# KiCad board KlusterLab r2.0.kicad_pcb (continued)
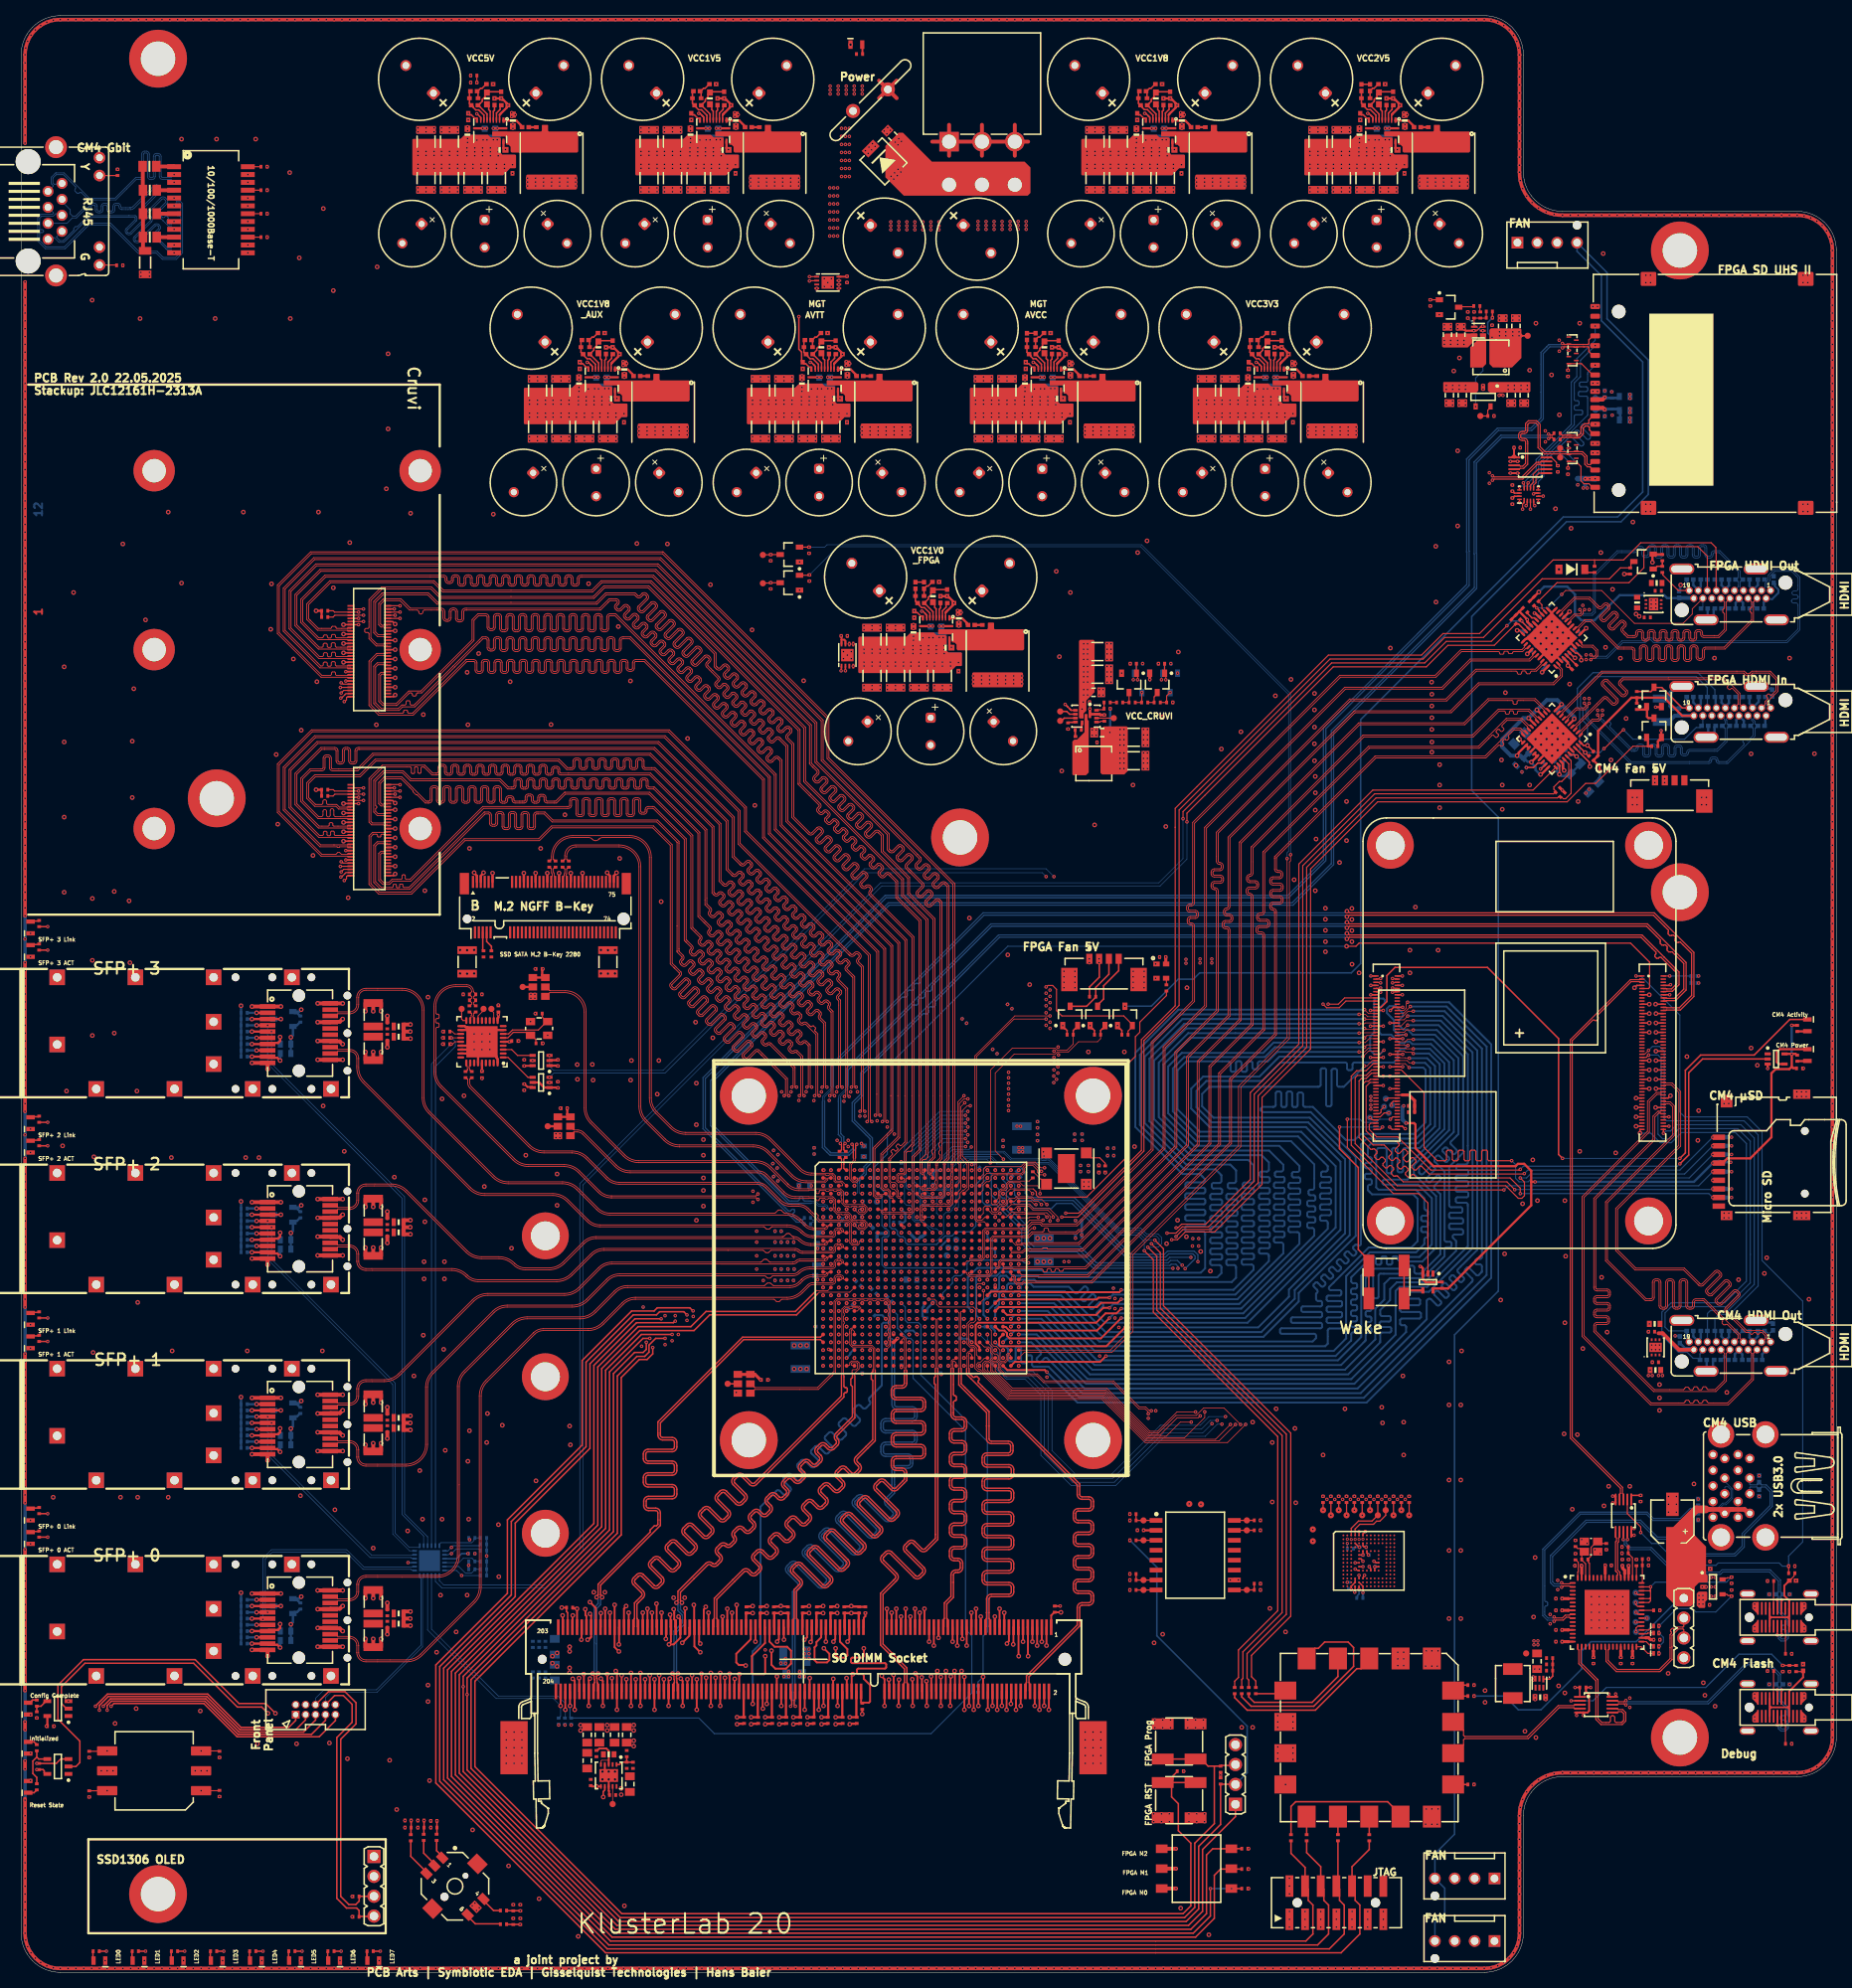
[diagram p0: board, top side]
## Routing (per net, layer and track width the routed paths; a pad name or vN(x,y) marks a point on that pad's centre or on a via; arc(x,y) is an arc through that point) (continued)
  L3 Inner2 (Sig) w0.1: v1(112.5,96.5) 112.12,96.88 111.84,96.88 111.84,96.88 110.74,96.88 110.72,96.9 106.29,96.9 105.92,97.26 105.92,97.61 105.53,98 104.93,98 104.66,98.27 104.57,98.27 103.54,99.29 102.36,99.29 101.57,100.09 101.57,100.96 100.57,101.96 100.57,112.16 100.68,112.27 100.68,112.34 100.7,112.36 100.7,112.66 100.67,112.7 100.67,112.84 100.44,113.07 v1(100.44,113.1)
CRUVI_B_7_N: length 153.1
  L1 Top w0.114: 101.82,112 101.82,119.92 101.45,120.29 arc(101.42,120.37) 101.45,120.45 101.52,120.52 arc(101.56,120.6) 101.52,120.68 101.28,120.92 arc(101.2,120.95) 101.12,120.92 101.06,120.85 arc(100.97,120.81) 100.89,120.85 100.44,121.31 arc(100.17,121.42) 99.9,121.31 arc(99.8,121.26) 99.7,121.31 99.5,121.5 arc(99.46,121.6) 99.5,121.7 99.68,121.89 arc(99.79,122.13) 99.72,122.39 99.72,122.39 99.45,122.66 99.44,122.66 arc(99.19,122.74) 98.94,122.63 98.92,122.6 arc(98.82,122.56) 98.72,122.6 98.52,122.8 arc(98.48,122.9) 98.52,123 98.7,123.18 arc(98.81,123.42) 98.73,123.68 98.73,123.68 98.46,123.95 98.46,123.95 arc(98.2,124.03) 97.96,123.92 97.5,123.46 arc(97.4,123.42) 97.3,123.46 97.1,123.66 arc(97.06,123.76) 97.1,123.86 97.56,124.32 arc(97.67,124.56) 97.6,124.82 97.6,124.82 97.33,125.09 97.32,125.09 arc(97.06,125.17) 96.82,125.06 arc(96.82,125.06) 96.82,125.06 96.36,124.6 arc(96.26,124.56) 96.16,124.6 95.97,124.8 arc(95.97,124.8) 95.97,124.8 arc(95.92,124.9) 95.97,125 96.42,125.46 arc(96.53,125.7) 96.46,125.95 96.46,125.96 96.19,126.23 96.18,126.23 arc(95.93,126.31) 95.68,126.19 95.23,125.74 arc(95.13,125.7) 95.03,125.74 94.83,125.94 arc(94.79,126.04) 94.83,126.14 95.28,126.59 arc(95.4,126.84) 95.32,127.09 95.32,127.1 95.05,127.37 95.04,127.37 arc(94.79,127.44) 94.55,127.33 94.09,126.87 arc(93.99,126.83) 93.89,126.88 93.69,127.07 arc(93.65,127.17) 93.69,127.27 94.15,127.73 arc(94.26,127.97) 94.18,128.23 94.18,128.24 93.91,128.51 93.91,128.51 arc(93.65,128.58) 93.41,128.47 92.95,128.01 arc(92.85,127.97) 92.75,128.01 92.55,128.21 arc(92.51,128.31) 92.55,128.41 93.01,128.87 arc(93.12,129.11) 93.04,129.37 93.04,129.37 92.77,129.64 92.77,129.64 arc(92.51,129.72) 92.27,129.61 91.81,129.15 arc(91.71,129.11) 91.61,129.15 91.41,129.35 arc(91.37,129.45) 91.41,129.55 91.87,130.01 arc(91.98,130.25) 91.91,130.51 91.91,130.51 91.64,130.78 91.63,130.78 arc(91.38,130.86) 91.13,130.75 90.67,130.29 arc(90.57,130.25) 90.48,130.29 90.28,130.49 arc(90.23,130.59) 90.28,130.69 90.73,131.14 arc(90.73,131.14) 90.73,131.15 arc(90.84,131.39) 90.77,131.64 90.77,131.65 90.5,131.92 90.49,131.92 arc(90.24,132) 89.99,131.88 89.54,131.43 arc(89.44,131.39) 89.34,131.43 89.14,131.63 arc(89.1,131.73) 89.14,131.83 89.6,132.28 arc(89.6,132.28) 89.6,132.28 arc(89.71,132.53) 89.63,132.78 89.63,132.79 89.36,133.06 89.36,133.06 arc(89.1,133.13) 88.86,133.02 88.4,132.56 arc(88.3,132.52) 88.2,132.56 88,132.76 arc(87.96,132.86) 88,132.96 88.12,133.08 arc(88.23,133.35) 88.12,133.62 86.74,135 86.74,145.64 80.94,151.44 80.27,151.44 arc(80.17,151.48) 80.13,151.58 80.13,152.2 arc(80.02,152.47) 79.75,152.59 79.47,152.59 arc(79.2,152.47) 79.09,152.2 79.09,151.56 arc(79.04,151.46) 78.94,151.41 78.66,151.41 arc(78.56,151.46) 78.52,151.56 78.52,152.2 arc(78.41,152.47) 78.14,152.59 77.86,152.59 arc(77.59,152.47) 77.48,152.2 77.48,151.56 arc(77.44,151.46) 77.34,151.41 77.05,151.41 arc(76.95,151.46) 76.91,151.56 76.91,152.2 arc(76.8,152.47) 76.53,152.59 76.25,152.59 arc(75.98,152.47) 75.87,152.2 75.87,151.56 arc(75.83,151.46) 75.73,151.41 75.44,151.41 arc(75.35,151.46) 75.3,151.56 75.3,152.2 arc(75.19,152.47) 74.92,152.59 74.64,152.59 arc(74.37,152.47) 74.26,152.2 74.26,151.56 arc(74.22,151.46) 74.12,151.41 73.84,151.41 arc(73.74,151.46) 73.69,151.56 73.69,152.2 arc(73.58,152.47) 73.31,152.59 73.03,152.59 arc(72.76,152.47) 72.65,152.2 72.65,151.56 arc(72.61,151.46) 72.51,151.41 72.23,151.41 arc(72.13,151.46) 72.09,151.56 72.09,152.2 arc(71.97,152.47) 71.7,152.59 71.42,152.59 arc(71.15,152.47) 71.04,152.2 71.04,151.56 arc(71,151.46) 70.9,151.41 70.62,151.41 arc(70.52,151.46) 70.48,151.56 70.48,152.2 arc(70.36,152.47) 70.09,152.59 69.81,152.59 arc(69.54,152.47) 69.43,152.2 69.43,151.56 arc(69.39,151.46) 69.29,151.41 69.01,151.41 arc(68.91,151.46) 68.87,151.56 68.87,152.2 arc(68.76,152.47) 68.49,152.59 68.2,152.59 arc(67.93,152.47) 67.82,152.2 67.82,151.56 arc(67.78,151.46) 67.68,151.41 67.4,151.41 arc(67.3,151.46) 67.26,151.56 67.26,152.2 arc(67.15,152.47) 66.88,152.59 66.59,152.59 arc(66.32,152.47) 66.21,152.2 66.21,151.56 arc(66.17,151.46) 66.07,151.41 65.79,151.41 arc(65.69,151.46) 65.65,151.56 65.65,152.2 arc(65.54,152.47) 65.27,152.59 64.98,152.59 arc(64.72,152.47) 64.6,152.2 64.6,151.56 arc(64.56,151.46) 64.46,151.41 64.18,151.41 arc(64.08,151.46) 64.04,151.56 64.04,152.2 arc(63.93,152.47) 63.66,152.59 63.38,152.59 arc(63.11,152.47) 62.99,152.2 62.99,151.58 arc(62.95,151.48) 62.85,151.44 62.28,151.44 61.24,152.48 49.85,152.48 48.84,153.5 46.27,153.5 45.06,152.29 45.06,148.25 45.5,147.81 46.36,147.81 46.38,147.79 46.78,147.79 J27.22
  L3 Inner2 (Sig) w0.1: v1(112.5,100.5) 112.84,100.5 112.9,100.44 112.9,100.23 112.79,100.13 106.05,100.13 105.59,100.59 105.23,100.59 105.16,100.65 104.74,100.65 103.79,101.6 102.8,101.6 102.13,102.27 102.13,111.38 101.82,111.69 101.82,111.77 102.01,111.97 v1(102.01,112)
CRUVI_B_7_P: length 152.4
  L1 Top w0.114: 101.58,112 101.58,119.82 100.27,121.13 arc(100.17,121.18) 100.07,121.13 arc(99.8,121.02) 99.53,121.13 99.33,121.33 arc(99.22,121.6) 99.33,121.87 99.51,122.06 arc(99.55,122.16) 99.51,122.26 arc(99.51,122.26) 99.51,122.26 99.31,122.46 arc(99.21,122.5) 99.11,122.46 99.09,122.43 arc(98.82,122.32) 98.55,122.43 98.35,122.63 arc(98.24,122.9) 98.35,123.17 98.53,123.35 arc(98.57,123.45) 98.53,123.55 98.33,123.75 arc(98.23,123.79) 98.13,123.75 97.67,123.29 arc(97.4,123.18) 97.13,123.29 96.93,123.49 arc(96.82,123.76) 96.93,124.03 97.39,124.49 arc(97.43,124.59) 97.39,124.69 97.19,124.89 arc(97.09,124.93) 96.99,124.89 96.53,124.43 arc(96.26,124.32) 95.99,124.43 95.76,124.66 95.76,124.67 arc(95.68,124.93) 95.8,125.17 96.25,125.63 arc(96.29,125.73) 96.25,125.83 arc(96.25,125.83) 96.25,125.83 96.05,126.02 arc(95.95,126.07) 95.85,126.02 95.4,125.57 arc(95.13,125.46) 94.86,125.57 94.66,125.77 arc(94.55,126.04) 94.66,126.31 95.12,126.76 arc(95.16,126.86) 95.11,126.96 arc(95.11,126.96) 95.11,126.96 94.92,127.16 arc(94.82,127.2) 94.72,127.16 94.26,126.71 arc(93.99,126.59) 93.72,126.71 93.52,126.9 arc(93.41,127.17) 93.52,127.44 93.98,127.9 arc(94.02,128) 93.98,128.1 93.78,128.3 arc(93.78,128.3) 93.78,128.3 arc(93.68,128.34) 93.58,128.3 93.12,127.84 arc(92.85,127.73) 92.58,127.84 92.38,128.04 arc(92.27,128.31) 92.38,128.58 92.84,129.04 arc(92.88,129.14) 92.84,129.24 92.64,129.44 arc(92.64,129.44) 92.64,129.44 arc(92.54,129.48) 92.44,129.44 91.98,128.98 arc(91.71,128.87) 91.44,128.98 91.24,129.18 arc(91.13,129.45) 91.24,129.72 91.7,130.18 arc(91.74,130.28) 91.7,130.38 91.5,130.58 arc(91.4,130.62) 91.3,130.58 90.85,130.12 arc(90.57,130.01) 90.31,130.12 90.11,130.32 arc(89.99,130.59) 90.11,130.86 90.56,131.32 arc(90.6,131.42) 90.56,131.52 90.36,131.71 arc(90.26,131.76) 90.16,131.71 89.71,131.26 arc(89.71,131.26) 89.71,131.26 arc(89.44,131.14) 89.17,131.26 ; J27.20 46.78,148.07 46.38,148.07 46.36,148.05 45.6,148.05 45.3,148.35 45.3,148.65 45.45,148.8 45.45,148.95 45.3,149.1 45.3,152.19 46.37,153.26 48.74,153.26 49.75,152.24 61.14,152.24 62.18,151.2 62.85,151.2 arc(63.12,151.31) 63.23,151.58 63.23,152.2 arc(63.28,152.3) 63.38,152.34 63.66,152.34 arc(63.76,152.3) 63.8,152.2 63.8,151.56 arc(63.91,151.29) 64.18,151.17 64.46,151.17 arc(64.73,151.29) 64.84,151.56 64.84,152.2 arc(64.89,152.3) 64.98,152.34 65.27,152.34 arc(65.37,152.3) 65.41,152.2 65.41,151.56 arc(65.52,151.29) 65.79,151.17 66.07,151.17 arc(66.34,151.29) 66.45,151.56 66.45,152.2 arc(66.49,152.3) 66.59,152.34 66.88,152.34 arc(66.98,152.3) 67.02,152.2 67.02,151.56 arc(67.13,151.29) 67.4,151.17 67.68,151.17 arc(67.95,151.29) 68.06,151.56 68.06,152.2 arc(68.1,152.3) 68.2,152.34 68.49,152.34 arc(68.58,152.3) 68.63,152.2 68.63,151.56 arc(68.74,151.29) 69.01,151.17 69.29,151.17 arc(69.56,151.29) 69.67,151.56 69.67,152.2 arc(69.71,152.3) 69.81,152.34 70.09,152.34 arc(70.19,152.3) 70.24,152.2 70.24,151.56 arc(70.35,151.29) 70.62,151.17 70.9,151.17 arc(71.17,151.29) 71.28,151.56 71.28,152.2 arc(71.32,152.3) 71.42,152.34 71.7,152.34 arc(71.8,152.3) 71.84,152.2 71.84,151.56 arc(71.96,151.29) 72.23,151.17 72.51,151.17 arc(72.78,151.29) 72.89,151.56 72.89,152.2 arc(72.93,152.3) 73.03,152.34 73.31,152.34 arc(73.41,152.3) 73.45,152.2 73.45,151.56 arc(73.57,151.29) 73.84,151.17 74.12,151.17 arc(74.39,151.29) 74.5,151.56 74.5,152.2 arc(74.54,152.3) 74.64,152.34 74.92,152.34 arc(75.02,152.3) 75.06,152.2 75.06,151.56 arc(75.17,151.29) 75.44,151.17 75.73,151.17 arc(76,151.29) 76.11,151.56 76.11,152.2 arc(76.15,152.3) 76.25,152.34 76.53,152.34 arc(76.63,152.3) 76.67,152.2 76.67,151.56 arc(76.78,151.29) 77.05,151.17 77.34,151.17 arc(77.61,151.29) 77.72,151.56 77.72,152.2 arc(77.76,152.3) 77.86,152.34 78.14,152.34 arc(78.24,152.3) 78.28,152.2 78.28,151.56 arc(78.39,151.29) 78.66,151.17 78.94,151.17 arc(79.21,151.29) 79.33,151.56 79.33,152.2 arc(79.37,152.3) 79.47,152.34 79.75,152.34 arc(79.85,152.3) 79.89,152.2 79.89,151.58 arc(80,151.31) 80.27,151.2 80.84,151.2 86.5,145.54 86.5,134.9 87.95,133.45 arc(87.99,133.35) 87.95,133.25 87.83,133.13 arc(87.72,132.86) 87.83,132.59 88.03,132.39 arc(88.3,132.28) 88.57,132.39 arc(88.57,132.39) 88.57,132.39 89.03,132.85 arc(89.13,132.89) 89.23,132.85 89.42,132.65 arc(89.47,132.55) 89.43,132.45 88.97,132 arc(88.86,131.73) 88.97,131.46 89.17,131.26
  L3 Inner2 (Sig) w0.1: v1(101.41,112) 101.41,111.97 101.62,111.76 101.62,111.61 101.8,111.43 101.8,102.13 102.66,101.27 103.66,101.27 104.61,100.32 105.16,100.32 105.23,100.39 105.51,100.39 105.97,99.93 112.88,99.93 113.1,100.15 113.1,100.44 113.16,100.5 v1(113.5,100.5)
CRUVI_B_8_N: length 151.6
  L1 Top w0.114: J27.28 46.78,146.59 46.38,146.59 46.36,146.61 44.8,146.61 44.46,146.95 44.46,152.54 46.16,154.24 51.59,154.24 52.6,153.23 53.16,153.22 arc(53.26,153.27) 53.3,153.37 53.3,153.96 arc(53.42,154.23) 53.69,154.34 53.97,154.34 arc(54.24,154.23) 54.35,153.96 54.35,153.34 arc(54.39,153.24) 54.49,153.2 54.77,153.2 arc(54.87,153.24) 54.91,153.34 54.91,153.96 arc(55.03,154.23) 55.3,154.34 55.58,154.34 arc(55.85,154.23) 55.96,153.96 55.96,153.34 arc(56,153.24) 56.1,153.2 56.38,153.2 arc(56.48,153.24) 56.52,153.34 56.52,153.96 arc(56.63,154.23) 56.9,154.34 57.19,154.34 arc(57.46,154.23) 57.57,153.96 57.57,153.34 arc(57.61,153.24) 57.71,153.2 57.99,153.2 arc(58.09,153.24) 58.13,153.34 58.13,153.96 arc(58.24,154.23) 58.51,154.34 58.8,154.34 arc(59.07,154.23) 59.18,153.96 59.18,153.34 arc(59.22,153.24) 59.32,153.2 59.6,153.2 arc(59.7,153.24) 59.74,153.34 59.74,153.96 arc(59.85,154.23) 60.12,154.34 60.41,154.34 arc(60.67,154.23) 60.79,153.96 60.79,153.34 arc(60.83,153.24) 60.93,153.2 61.21,153.2 arc(61.31,153.24) 61.35,153.34 61.35,153.96 arc(61.46,154.23) 61.73,154.34 62.01,154.34 arc(62.28,154.23) 62.4,153.96 62.4,153.34 arc(62.44,153.24) 62.54,153.2 62.82,153.2 arc(62.92,153.24) 62.96,153.34 62.96,153.96 arc(63.07,154.23) 63.34,154.34 63.62,154.34 arc(63.89,154.23) 64.01,153.96 64.01,153.34 arc(64.05,153.24) 64.15,153.2 64.43,153.2 arc(64.53,153.24) 64.57,153.34 64.57,153.96 arc(64.68,154.23) 64.95,154.34 65.23,154.34 arc(65.5,154.23) 65.61,153.96 65.61,153.34 arc(65.66,153.24) 65.76,153.2 66.04,153.2 arc(66.14,153.24) 66.18,153.34 66.18,153.96 arc(66.29,154.23) 66.56,154.34 66.84,154.34 arc(67.11,154.23) 67.22,153.96 67.22,153.34 arc(67.26,153.24) 67.36,153.2 67.65,153.2 arc(67.75,153.24) 67.79,153.34 67.79,153.7 arc(67.9,153.97) 68.17,154.09 68.45,154.09 arc(68.72,153.97) 68.83,153.7 68.83,153.37 arc(68.87,153.27) 68.97,153.22 69.95,153.22 80.43,153.23 87.64,146.01 87.64,136.5 88.14,136 arc(88.25,135.73) 88.14,135.46 88.1,135.42 arc(88.06,135.32) 88.1,135.22 88.3,135.02 arc(88.4,134.98) 88.5,135.02 88.92,135.44 arc(89.16,135.55) 89.42,135.48 89.43,135.48 89.7,135.21 89.7,135.2 arc(89.77,134.95) 89.66,134.7 89.24,134.28 arc(89.2,134.18) 89.24,134.08 89.44,133.88 arc(89.54,133.84) 89.64,133.88 90.06,134.3 arc(90.3,134.41) 90.56,134.34 90.56,134.34 90.83,134.07 90.83,134.06 arc(90.91,133.81) 90.8,133.56 90.38,133.14 arc(90.33,133.04) 90.38,132.94 90.57,132.74 arc(90.67,132.7) 90.77,132.74 91.2,133.17 arc(91.44,133.28) 91.7,133.2 91.7,133.2 91.97,132.93 91.97,132.93 arc(92.05,132.67) 91.94,132.43 arc(91.94,132.43) 91.94,132.43 91.51,132 arc(91.47,131.9) 91.51,131.8 91.71,131.6 arc(91.81,131.56) 91.91,131.6 92.34,132.03 arc(92.58,132.14) 92.83,132.06 92.84,132.06 93.11,131.79 93.11,131.79 arc(93.19,131.53) 93.07,131.29 arc(93.07,131.29) 93.07,131.29 92.65,130.87 arc(92.61,130.77) 92.65,130.67 92.85,130.47 arc(92.95,130.43) 93.05,130.47 93.47,130.89 arc(93.72,131) 93.97,130.93 93.98,130.93 94.25,130.66 94.25,130.65 arc(94.32,130.39) 94.21,130.15 arc(94.21,130.15) 94.21,130.15 93.79,129.73 arc(93.75,129.63) 93.79,129.53 93.99,129.33 arc(94.09,129.29) 94.19,129.33 94.61,129.75 arc(94.85,129.86) 95.11,129.79 95.12,129.79 95.39,129.52 95.39,129.51 arc(95.46,129.26) 95.35,129.01 arc(95.35,129.01) 95.35,129.01 94.93,128.59 arc(94.89,128.49) 94.93,128.39 95.13,128.19 arc(95.23,128.15) 95.32,128.19 95.75,128.61 arc(95.99,128.73) 96.25,128.65 96.25,128.65 96.52,128.38 96.52,128.37 arc(96.6,128.12) 96.49,127.87 arc(96.49,127.87) 96.49,127.87 96.06,127.45 arc(96.02,127.35) 96.06,127.25 96.26,127.05 arc(96.36,127.01) 96.46,127.05 96.89,127.48 arc(97.13,127.59) 97.39,127.51 97.39,127.51 97.66,127.24 97.66,127.24 arc(97.74,126.98) 97.63,126.74 arc(97.63,126.74) 97.63,126.74 97.2,126.31 arc(97.16,126.21) 97.2,126.11 97.4,125.92 arc(97.5,125.87) 97.6,125.91 98.02,126.34 arc(98.27,126.45) 98.52,126.37 98.53,126.37 98.8,126.1 98.8,126.1 arc(98.87,125.84) 98.76,125.6 98.34,125.18 arc(98.3,125.08) 98.34,124.98 98.54,124.78 arc(98.64,124.74) 98.74,124.78 99.16,125.2 arc(99.16,125.2) 99.16,125.2 arc(99.43,125.31) 99.7,125.2 99.9,125 arc(100.01,124.73) 99.9,124.46 99.48,124.04 arc(99.44,123.94) 99.48,123.84 99.68,123.64 arc(99.78,123.6) 99.88,123.64 100.3,124.06 arc(100.3,124.06) 100.3,124.06 arc(100.54,124.17) 100.8,124.1 100.8,124.1 101.07,123.83 101.07,123.82 arc(101.15,123.57) 101.04,123.32 100.62,122.9 arc(100.57,122.8) 100.62,122.7 100.82,122.5 arc(100.92,122.46) 101.01,122.5 101.44,122.92 arc(101.44,122.92) 101.44,122.92 arc(101.68,123.04) 101.94,122.96 101.94,122.96 102.21,122.69 102.21,122.68 arc(102.29,122.43) 102.18,122.19 102.17,122.17 arc(102.12,122.08) 102.17,121.98 102.79,121.35 102.79,113.08
  L3 Inner2 (Sig) w0.1: v1(102.98,113.1) 102.98,113.01 102.85,112.87 102.85,112.8 102.99,112.66 102.99,112.16 102.91,112.08 102.91,105.19 106.68,101.42 106.68,101.3 106.88,101.1 110.44,101.1 110.5,101.16 v1(110.5,101.5)
CRUVI_B_8_P: length 153.7
  L1 Top w0.114: 102.55,113.08 102.55,121.25 102,121.8 arc(101.88,122.07) 102,122.34 102.01,122.36 arc(102.05,122.46) 102.01,122.56 101.81,122.75 arc(101.71,122.8) 101.61,122.76 101.18,122.33 arc(100.92,122.22) 100.65,122.33 100.45,122.53 arc(100.33,122.8) 100.45,123.07 arc(100.45,123.07) 100.45,123.07 100.87,123.49 arc(100.91,123.59) 100.87,123.69 100.67,123.89 arc(100.57,123.93) 100.47,123.89 100.05,123.47 arc(99.78,123.36) 99.51,123.47 99.31,123.67 arc(99.2,123.94) 99.31,124.21 arc(99.31,124.21) 99.31,124.21 99.73,124.63 arc(99.77,124.73) 99.73,124.83 99.53,125.03 arc(99.43,125.07) 99.33,125.03 98.91,124.61 arc(98.64,124.5) 98.37,124.61 98.17,124.81 arc(98.06,125.08) 98.17,125.35 98.59,125.77 arc(98.63,125.87) 98.59,125.97 98.39,126.17 arc(98.29,126.21) 98.19,126.17 97.77,125.75 arc(97.5,125.63) 97.23,125.74 97.03,125.94 arc(96.92,126.21) 97.03,126.48 97.46,126.91 arc(97.5,127.01) 97.46,127.11 97.26,127.31 arc(97.16,127.35) 97.06,127.31 96.63,126.88 arc(96.63,126.88) 96.63,126.88 arc(96.36,126.77) 96.09,126.88 95.89,127.08 arc(95.78,127.35) 95.89,127.62 96.32,128.05 arc(96.36,128.15) 96.32,128.24 96.12,128.44 arc(96.02,128.49) 95.92,128.44 95.5,128.02 arc(95.5,128.02) 95.5,128.02 arc(95.23,127.91) 94.96,128.02 94.76,128.22 arc(94.64,128.49) 94.76,128.76 95.18,129.18 arc(95.22,129.28) 95.18,129.38 94.98,129.58 arc(94.88,129.62) 94.78,129.58 94.36,129.16 arc(94.36,129.16) 94.36,129.16 arc(94.09,129.05) 93.82,129.16 93.62,129.36 arc(93.51,129.63) 93.62,129.9 94.04,130.32 arc(94.08,130.42) 94.04,130.52 93.84,130.72 arc(93.74,130.76) 93.64,130.72 93.22,130.3 arc(93.22,130.3) 93.22,130.3 arc(92.95,130.18) 92.68,130.3 92.48,130.5 arc(92.37,130.77) 92.48,131.04 92.9,131.46 arc(92.95,131.56) 92.9,131.66 arc(92.9,131.66) 92.9,131.66 92.71,131.86 arc(92.61,131.9) 92.51,131.86 92.08,131.43 arc(92.08,131.43) 92.08,131.43 arc(91.81,131.32) 91.54,131.43 91.34,131.63 arc(91.23,131.9) 91.34,132.17 91.77,132.6 arc(91.81,132.7) 91.77,132.8 arc(91.77,132.8) 91.77,132.8 91.57,132.99 arc(91.47,133.04) 91.37,133 90.94,132.57 arc(90.94,132.57) 90.94,132.57 arc(90.67,132.46) 90.4,132.57 90.2,132.77 arc(90.09,133.04) 90.2,133.31 90.63,133.74 arc(90.67,133.83) 90.63,133.93 90.43,134.13 arc(90.43,134.13) 90.43,134.13 arc(90.33,134.17) 90.23,134.13 89.81,133.71 arc(89.54,133.6) 89.27,133.71 89.07,133.91 arc(88.96,134.18) 89.07,134.45 89.49,134.87 arc(89.53,134.97) 89.49,135.07 arc(89.49,135.07) 89.49,135.07 89.29,135.27 arc(89.29,135.27) 89.29,135.27 arc(89.19,135.31) 89.09,135.27 88.67,134.85 arc(88.4,134.74) 88.13,134.85 87.93,135.05 arc(87.82,135.32) 87.93,135.59 87.97,135.63 arc(88.01,135.73) 87.97,135.83 87.4,136.4 87.4,145.91 80.33,152.98 68.97,152.98 arc(68.7,153.1) 68.59,153.37 68.59,153.7 arc(68.55,153.8) 68.45,153.85 68.17,153.85 arc(68.07,153.8) 68.03,153.7 68.03,153.34 arc(67.92,153.07) 67.65,152.95 67.36,152.95 arc(67.09,153.07) 66.98,153.34 66.98,153.96 arc(66.94,154.06) 66.84,154.1 66.56,154.1 arc(66.46,154.06) 66.42,153.96 66.42,153.34 arc(66.31,153.07) 66.04,152.95 65.76,152.95 arc(65.49,153.07) 65.37,153.34 65.37,153.96 arc(65.33,154.06) 65.23,154.1 64.95,154.1 arc(64.85,154.06) 64.81,153.96 64.81,153.34 arc(64.7,153.07) 64.43,152.95 64.15,152.95 arc(63.88,153.07) 63.76,153.34 63.76,153.96 arc(63.72,154.06) 63.62,154.1 63.34,154.1 arc(63.24,154.06) 63.2,153.96 63.2,153.34 arc(63.09,153.07) 62.82,152.95 62.54,152.95 arc(62.27,153.07) 62.16,153.34 62.16,153.96 arc(62.11,154.06) 62.01,154.1 61.73,154.1 arc(61.63,154.06) 61.59,153.96 61.59,153.34 arc(61.48,153.07) 61.21,152.95 60.93,152.95 arc(60.66,153.07) 60.55,153.34 60.55,153.96 arc(60.5,154.06) 60.41,154.1 60.12,154.1 arc(60.02,154.06) 59.98,153.96 59.98,153.34 arc(59.87,153.07) 59.6,152.95 59.32,152.95 arc(59.05,153.07) 58.94,153.34 58.94,153.96 arc(58.9,154.06) 58.8,154.1 58.51,154.1 arc(58.41,154.06) 58.37,153.96 58.37,153.34 arc(58.26,153.07) 57.99,152.95 57.71,152.95 arc(57.44,153.07) 57.33,153.34 57.33,153.96 arc(57.29,154.06) 57.19,154.1 56.9,154.1 arc(56.81,154.06) 56.76,153.96 56.76,153.34 arc(56.65,153.07) 56.38,152.95 56.1,152.95 arc(55.83,153.07) 55.72,153.34 55.72,153.96 arc(55.68,154.06) 55.58,154.1 55.3,154.1 arc(55.2,154.06) 55.15,153.96 55.15,153.34 arc(55.04,153.07) 54.77,152.95 54.49,152.95 arc(54.22,153.07) 54.11,153.34 54.11,153.96 arc(54.07,154.06) 53.97,154.1 53.69,154.1 arc(53.59,154.06) 53.55,153.96 53.55,153.37 arc(53.43,153.1) 53.16,152.98 52.5,152.98 51.49,153.99 51.24,153.99 arc(51.15,153.96) 51.11,153.87 51.11,153.33 arc(51.07,153.24) 50.99,153.2 50.82,153.2 arc(50.73,153.24) 50.7,153.33 50.7,153.9 arc(50.66,153.99) 50.57,154.02 50.41,154.02 arc(50.32,153.99) 50.28,153.9 50.28,153.29 arc(50.25,153.21) 50.16,153.17 49.99,153.17 arc(49.91,153.21) 49.87,153.29 49.87,153.87 arc(49.83,153.96) 49.75,153.99 46.26,153.99 44.7,152.44 44.7,147.05 44.9,146.85 46.36,146.85 46.38,146.87 46.78,146.87 J27.26
  L3 Inner2 (Sig) w0.1: v1(110.5,100.5) 110.5,100.84 110.44,100.9 106.8,100.9 106.54,101.16 106.47,101.16 102.58,105.06 102.58,112.22 102.66,112.3 102.66,112.66 102.52,112.8 102.52,112.87 102.38,113.01 v1(102.38,113.1)
CRUVI_B_9_N: length 155.8
  L1 Top w0.114: 97.94,112 97.94,114.2 94.29,117.85 94.29,117.85 arc(94.03,117.92) 93.79,117.81 92.81,116.83 arc(92.71,116.79) 92.61,116.83 92.41,117.03 arc(92.37,117.13) 92.41,117.23 93.47,118.28 93.47,118.29 arc(93.54,118.55) 93.43,118.79 93.23,118.99 arc(92.96,119.1) 92.69,118.99 91.54,117.84 arc(91.54,117.84) 91.54,117.84 arc(91.44,117.8) 91.34,117.84 91.14,118.04 arc(91.1,118.14) 91.14,118.24 92.33,119.42 92.33,119.43 arc(92.4,119.68) 92.29,119.93 92.09,120.13 arc(91.82,120.24) 91.55,120.13 90.4,118.98 arc(90.4,118.98) 90.4,118.97 arc(90.3,118.93) 90.2,118.97 90,119.17 arc(89.96,119.27) 90,119.37 91.19,120.56 91.19,120.57 arc(91.27,120.82) 91.15,121.06 90.95,121.26 arc(90.68,121.38) 90.42,121.26 89.26,120.11 arc(89.26,120.11) 89.26,120.11 arc(89.16,120.07) 89.06,120.11 88.86,120.31 arc(88.82,120.41) 88.87,120.51 90.05,121.7 90.05,121.7 arc(90.13,121.96) 90.02,122.2 89.82,122.4 arc(89.55,122.51) 89.28,122.4 88.13,121.25 arc(88.13,121.25) 88.13,121.25 arc(88.03,121.21) 87.93,121.25 87.73,121.45 arc(87.69,121.55) 87.73,121.65 88.91,122.84 88.91,122.84 arc(88.99,123.1) 88.88,123.34 88.68,123.54 arc(88.41,123.65) 88.14,123.54 86.99,122.39 arc(86.99,122.39) 86.99,122.39 arc(86.89,122.35) 86.79,122.39 86.59,122.59 arc(86.55,122.69) 86.59,122.79 87.78,123.97 87.78,123.98 arc(87.85,124.24) 87.74,124.48 87.54,124.68 arc(87.27,124.79) 87,124.68 85.85,123.53 arc(85.85,123.53) 85.85,123.53 arc(85.75,123.49) 85.65,123.53 85.45,123.73 arc(85.41,123.83) 85.45,123.93 arc(85.45,123.93) 85.45,123.93 86.6,125.08 arc(86.71,125.35) 86.6,125.62 86.4,125.82 arc(86.16,125.93) 85.9,125.85 85.9,125.85 84.71,124.66 arc(84.61,124.62) 84.51,124.66 84.31,124.86 arc(84.27,124.96) 84.31,125.06 arc(84.31,125.06) 84.31,125.06 85.46,126.21 arc(85.58,126.48) 85.46,126.75 85.27,126.95 arc(85.02,127.06) 84.77,126.99 84.76,126.99 83.57,125.8 arc(83.48,125.76) 83.38,125.8 83.18,126 arc(83.13,126.1) 83.18,126.2 arc(83.18,126.2) 83.18,126.2 84.29,127.31 arc(84.4,127.56) 84.32,127.81 84.32,127.82 83.21,128.93 83.21,144.08 80.82,146.48 67.78,146.48 66.15,144.84 56.64,144.84 49.81,138.01 45.79,138.01 44.7,139.1 44.7,145.1 45.02,145.41 45.44,145.41 arc(45.52,145.38) 45.55,145.3 45.55,145.15 arc(45.58,145.09) 45.63,145.06 45.88,145.06 arc(45.94,145.09) 45.97,145.15 45.97,145.3 arc(46,145.38) 46.08,145.41 46.36,145.41 46.38,145.39 46.78,145.39 J27.34
  L3 Inner2 (Sig) w0.1: v1(98.13,112) 98.13,111.91 97.99,111.77 97.99,97.11 100.54,94.56 100.54,94.46 100.9,94.1 111.94,94.1 112,94.16 112,94.44 111.94,94.5 v1(111.5,94.5)
